# Altium PCB STM32H7-Board.PcbDoc
Units mm, origin at the board's own origin, x right, y up, seen from the top; angles counter-clockwise.
Board outline 103.12 x 145.41 mm, 2 copper layers (Top Layer, Bottom Layer); 95 components, 147 nets, 522 pads, 4 vias.
Unrouted connection lines stored in the file: 327.
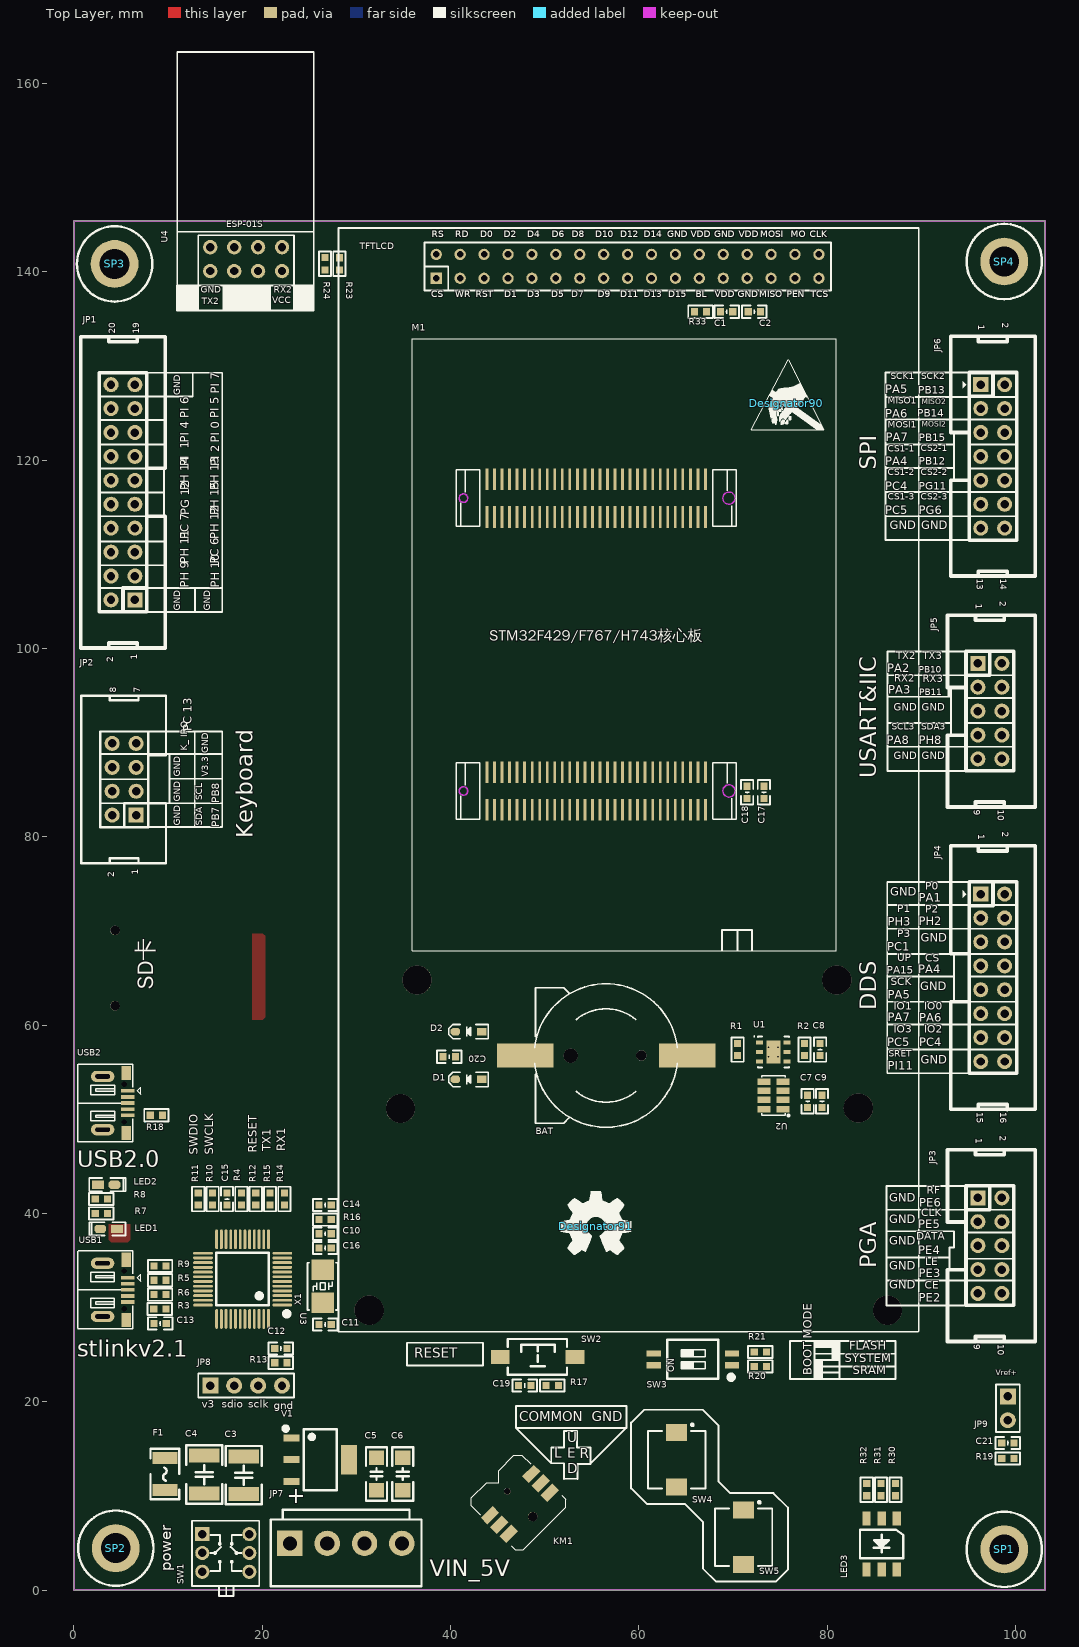
[diagram p0: Top Layer view]
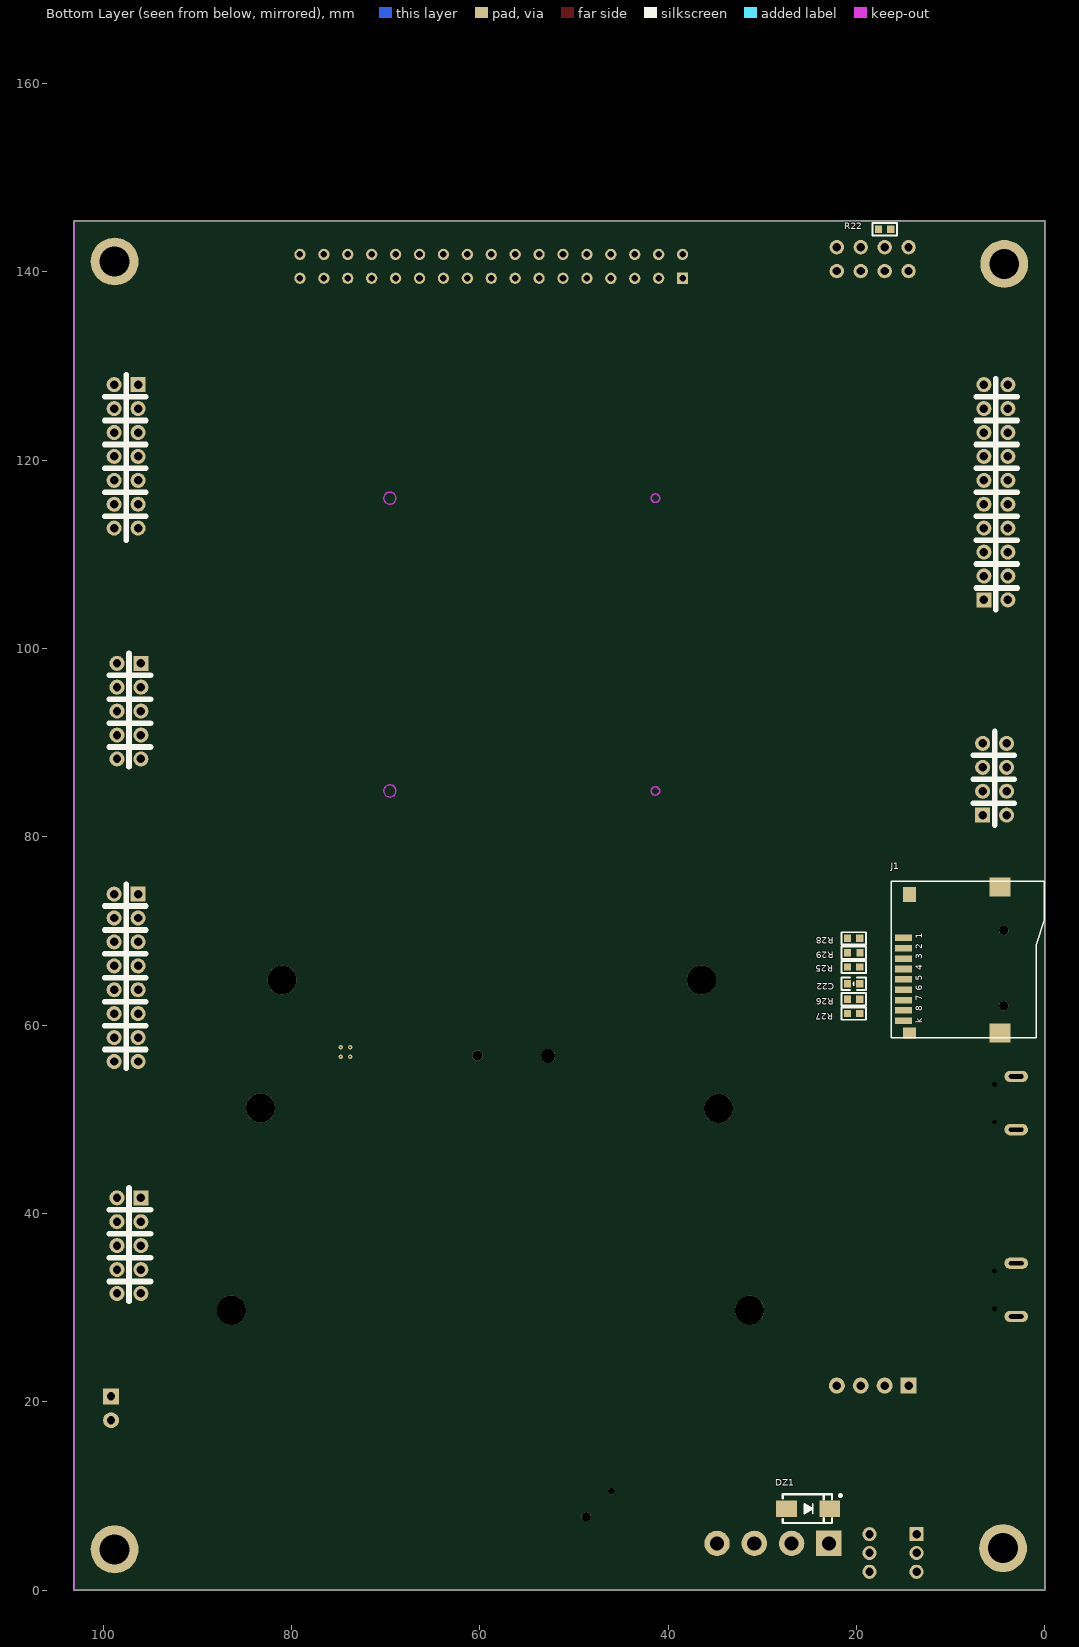
[diagram p1: Bottom Layer view, seen from below]

## Layer stack, top to bottom
Top Solder: solder mask 0.0102, Solder Resist, Dk 3.5
Top Layer: signal copper 0.0356
Dielectric 1: dielectric 0.32, FR-4, Dk 4.8
Bottom Layer: signal copper 0.0356
Bottom Solder: solder mask 0.0102, Solder Resist, Dk 3.5

## Board outline
0,0 0,145.415 103.124,145.415 103.124,0

## Design rules (kind name [scope] priority, off if disabled: settings)
Clearance [All] p1: gap=0.152 ignorepadtopadclearanceinfootprint=FALSE
ComponentClearance [All] p1: gap=0 collisioncheckmode=3 verticalgap=0 showdistances=FALSE
HoleSize [All] p1: absolutevalues=TRUE maxlimit=5 minlimit=0.025 maxpercent=80.000 minpercent=20.000
MinimumSolderMaskSliver [All] p1: minsoldermaskwidth=0
PolygonConnect PolygonConnect_2 [InNet('GND')] p1: thpad.connectstyle=Relief thpad.reliefconductorwidth=0.508 thpad.reliefentries=4 thpad.polygonreliefangle="45 Angle" thpad.airgapwidth=0.254 smdpad.connectstyle=Direct smdpad.reliefconductorwidth=0.254 smdpad.reliefentries=4 smdpad.polygonreliefangle="90 Angle" smdpad.airgapwidth=0.254 via.connectstyle=Direct via.reliefconductorwidth=0.254 via.reliefentries=4 via.polygonreliefangle="90 Angle" via.airgapwidth=0.254
PolygonConnect PolygonConnect_1 [InNet('VCC3V3')] p2: connectstyle=Direct reliefconductorwidth=0.254 reliefentries=4 polygonreliefangle="90 Angle" airgapwidth=0.254
PolygonConnect [All] p3: connectstyle=Relief reliefconductorwidth=0.508 reliefentries=4 polygonreliefangle="90 Angle" airgapwidth=0.254
RoutingVias [All] p1: holewidth=0.711 width=1.27 viastyle="Through Hole" minholewidth=0.3 minwidth=0.6 maxholewidth=0.711 maxwidth=1.27
SilkToSilkClearance [All] p1: silktosilkclearance=0
SilkToSolderMaskClearance [IsPad] p1: minsilkscreentomaskgap=0 clearancetoexposedcopper=TRUE
SolderMaskExpansion [All] p1: expansion=0.102 istentingtop=FALSE
Width [All] p1: maxlimit=1.524 minlimit=0.152 preferedwidth=0.254
25 further rules are at their usual default settings.

## Classes and differential pairs
component class STM32H7-Board: BAT C17 C18 C19 C20 C21 C22 D1 D2 J1 JP9 KM1 LED3 M1 R17 R18 R19 R20 R21 R22 R23 R24 R25 R26 R27 R28 R29 R30 R31 R32 SW2 SW3 SW4 SW5 U4 USB2
component class stlinkv2.1: C10 C11 C12 C13 C14 C15 C16 JP8 LED1 LED2 R3 R4 R5 R6 R7 R8 R9 R10 R11 R12 R13 R14 R15 R16 U3 USB1 X1
component class Sensors: C7 C8 C9 R1 R2 U1 U2
component class Power: C3 C4 C5 C6 DZ1 F1 JP7 SP1 SP2 SP3 SP4 SW1 V1
component class ports: C1 C2 JP1 JP2 JP3 JP4 JP5 JP6 R33 TFTLCD

## Components (designator, comment, footprint, x,y, rotation, side; value= is the part's Value field where it differs from the comment)
BAT "BATT" BATM 56.515,56.769 r270 top locked
C1 "104" "C 0603_L" 69.327,135.763 r180 top
C2 "104" "C 0603_L" 72.263,135.763 r180 top
C3 "104" "C 1812_L" 18.034,12.192 r270 top locked
C4 "104" "C 1812_L" 13.843,12.267 r270 top locked
C5 "104" "C 1206_M" 32.131,12.319 r90 top locked
C6 "104" "C 1206_M" 34.925,12.319 r90 top locked
C7 "104" "C 0603_L" 77.927,51.892 r90 top
C8 "104" "C 0603_L" 79.248,57.404 r90 top locked
C9 "104" "C 0603_L" 79.451,51.892 r90 top
C10 "104" "C 0603_L" 26.67,37.846 r180 top locked
C11 "104" "C 0603_L" 26.67,28.194 r180 top locked
C12 "104" "C 0603_L" 21.971,25.654 r180 top
C13 "104" "C 0603_L" 9.159,28.321 r180 top locked
C14 "104" "C 0603_L" 26.67,40.894 r180 top
C15 "104" "C 0603_L" 16.256,41.529 r90 top
C16 "104" "C 0603_L" 26.67,36.322 r180 top locked
C17 "104" "C 0603_L" 73.279,84.709 r90 top locked
C18 "104" "C 0603_L" 71.501,84.709 r90 top locked
C19 "104" "C 0603_L" 47.879,21.717 r0 top locked
C20 "104" "C 0603_L" 39.863,56.642 r0 top locked
C21 "104" "C 0603_L" 99.187,15.621 r180 top locked
C22 "104" "C 0603_L" 20.32,64.389 r0 bottom
D1 "1N4148" SOD-323 41.907,54.229 r180 top locked
D2 "1N4148" SOD-323 41.91,59.309 r180 top locked
Designator90 "Comment" ICO1 75.667,126.035 r0 top
Designator91 "Comment" openhw 55.423,38.633 r0 top
DZ1 "1N4733" SMA 25.146,8.636 r180 bottom locked
F1 "MSMD200-8V 2A" "FU 1210" 9.652,12.319 r270 top
J1 "TF_Card" "Micro SD" 4.369,66.057 r90 bottom locked
JP1 "Header 2X10" IDC2.54-LI-2x10P 6.477,105.156 r90 top locked
JP2 "Header 4X2" IDC2.54-LI-2x4P 6.604,82.296 r90 top locked
JP3 "Header 5X2" IDC2.54-LI-2x5P 96.012,41.656 r270 top locked
JP4 "Header 8X2" IDC2.54-LI-2x8P 96.313,73.914 r270 top locked
JP5 "Header 5X2" IDC2.54-LI-2x5P 96.012,98.425 r270 top locked
JP6 "Header 2X7" IDC2.54-LI-2x7P 96.313,128.016 r270 top locked
JP7 "HDR-1X4" VH3.96-LI-4P 28.881,4.953 r0 top locked
JP8 "HDR-1X4" HDR2.54-LI-4P 18.288,21.717 r0 top locked
JP9 "HDR-1X2" HDR2.54-LI-2P 99.187,19.304 r270 top locked
KM1 "MT008-A" JOY_MT008-A 47.371,9.144 r45 top
LED1 "红色" "LED 0603B" 3.683,38.354 r180 top locked
LED2 "红色" "LED 0603B" 3.429,43.053 r0 top locked
LED3 "LED-RGB" "LED 5050" 85.777,4.878 r270 top locked
M1 "STM32F4&F7_CB" STM32F4&F7_CB 67.068,82.868 r90 top
R1 "1K" "R 0603_L" 70.485,57.404 r90 top locked
R2 "1K" "R 0603_L" 77.597,57.404 r90 top locked
R3 "1K" "R 0603_L" 9.129,29.845 r180 top locked
R4 "1K" "R 0603_L" 17.78,41.529 r90 top locked
R5 "1K" "R 0603_L" 9.144,32.893 r180 top locked
R6 "1K" "R 0603_L" 9.144,31.369 r180 top locked
R7 "1K" "R 0603_L" 2.921,40.005 r0 top locked
R8 "1K" "R 0603_L" 2.921,41.529 r0 top locked
R9 "100" "R 0603_L" 9.144,34.417 r180 top locked
R10 "1K" "R 0603_L" 14.732,41.529 r270 top locked
R11 "1K" "R 0603_L" 13.208,41.529 r270 top locked
R12 "1K" "R 0603_L" 19.304,41.529 r270 top locked
R13 "1K" "R 0603_L" 21.971,24.13 r0 top locked
R14 "1K" "R 0603_L" 22.352,41.529 r270 top locked
R15 "1K" "R 0603_L" 20.828,41.529 r270 top locked
R16 "1K" "R 0603_L" 26.67,39.342 r0 top locked
R17 "1K" "R 0603_L" 50.8,21.717 r0 top locked
R18 "1K" "R 0603_L" 8.763,50.419 r180 top
R19 "1K" "R 0603_L" 99.187,13.97 r180 top locked
R20 "1K" "R 0603_L" 72.898,23.749 r180 top locked
R21 "1K" "R 0603_L" 72.898,25.273 r180 top locked
R22 "4.7K" "R 0603_L" 17.018,144.526 r180 bottom locked
R23 "1K" "R 0603_L" 28.194,140.843 r270 top
R24 "1K" "R 0603_L" 26.67,140.858 r270 top
R25 "1K" "R 0603_L" 20.32,66.167 r0 bottom
R26 "1K" "R 0603_L" 20.32,62.738 r0 bottom
R27 "1K" "R 0603_L" 20.32,61.214 r0 bottom
R28 "1K" "R 0603_L" 20.32,69.215 r0 bottom
R29 "1K" "R 0603_L" 20.305,67.691 r0 bottom
R30 "1K" "R 0603_L" 87.249,10.668 r90 top
R31 "1K" "R 0603_L" 85.725,10.653 r90 top
R32 "1K" "R 0603_L" 84.201,10.653 r90 top locked
R33 "1K" "R 0603_L" 66.548,135.763 r180 top locked
SP1 "M3铜柱" M3x4_L 98.806,4.318 r0 top locked
SP2 "M3铜柱" M3x4_L 4.445,4.445 r0 top locked
SP3 "M3铜柱" M3x4_L 4.318,140.843 r0 top locked
SP4 "M3铜柱" M3x4_L 98.806,141.097 r0 top locked
SW1 "KET 7X7" "KFT DIP-7X7" 16.129,3.937 r270 top locked
SW2 "3x6x5" "TSW SMD-3*6*2.5" 49.276,24.765 r0 top locked
SW3 "CSW-2P" "CSW1.27 SMD-2P" 65.734,24.503 r90 top locked
SW4 "3x6x5" SODFL700X110-2N 64.008,13.843 r270 top locked
SW5 "3x6x5" SODFL700X110-2N 71.12,5.609 r270 top locked
TFTLCD "TFT_LCD" db2*17-4.3 38.483,139.313 r0 top locked
U1 "SHT20" sht20 74.287,57.142 r0 top locked
U2 "AP3216C" DFN8 73.558,51.079 r90 top
U3 "STM32F103C8" "LQFP48 7X7_M" 17.907,33.02 r90 top locked
U4 "ESP-01S" ESP-01S 14.478,140.081 r90 top locked
USB1 "USB-5P" USB-MICRO_B 3.048,31.877 r270 top locked
USB2 "USB-5P" USB-MICRO_B 3.054,51.72 r270 top locked
V1 "AMS1117-3V3" SOT223_L 26.162,13.843 r270 top locked
X1 "12MHz" "OSC 5032-2P" 26.416,32.258 r270 top locked

## Footprints (in the part's own frame and the unit in brackets; to place one, negate y for a bottom-side part, rotate by r counter-clockwise, add the part's x,y. Pads: shape width x height; smd on the part's side, far side on the other; paste and mask are expansions set on the pad)
BATM [mm]
  round 1.1 hole 1.1 unplated: 0(0,3.748)
  round 1.5 hole 1.5 unplated: 0(0.025,-3.752)
  rect 2.5x6 smd: 1(0,-8.602) 2(0,8.598)
  silkscreen extent -7.62,-7.58 7.62,7.57
"C 0603_L" [mil] "无极性贴片电容"
  rect 30x30 smd: 1(-25.59,0) 2(25.59,0)
  silkscreen extent -51,-26 51,26, body extent -31,-16 31,16, height 32
"C 1206_M" [mil] "无极性贴片电容"
  rect 60x62.99 smd: 1(-67.5,0) 2(67.5,0)
  silkscreen extent -112,-44 112,44, body extent -63,-32 63,32, height 48
"C 1812_L" [mm] "无极性贴片电容"
  rect 1.5x3.2 smd: 1(-2,0) 2(2,0)
  silkscreen extent -3.1,-1.91 3.1,1.9, body extent -2.3,-1.61 2.3,1.61, height 2.01
"CSW1.27 SMD-2P" [mm] "长：4.14mm，宽：5.4mm，高：2.3mm"
  rect 0.65x1.5 smd: 1(-0.635,-4.15) 2(0.635,-4.15) 3(0.635,4.15) 4(-0.635,4.15)
  silkscreen extent -2.15,-4.31 2.07,2.7, body extent -2.07,-4.35 2.07,4.35, height 2.35
db2*17-4.3 [mm]
  rect 1.2x1.2 hole 0.7: 1(-0.002,0.006)
  round 1.2 hole 0.7: 2(-0.002,2.546) 3(2.538,0.006) 4(2.538,2.546) 5(5.08,0) 6(5.078,2.546) 7(7.62,0) 8(7.62,2.54) 9(10.158,0.006) 10(10.158,2.546) 11(12.698,0.006) 12(12.698,2.546) 13(15.238,0.006) 14(15.238,2.546) 15(17.778,0.006) 16(17.778,2.546) 17(20.318,0.006) 18(20.318,2.546) 19(22.858,0.006) 20(22.858,2.546) 21(25.398,0.006) 22(25.398,2.546) 23(27.938,0.006) 24(27.938,2.546) 25(30.478,0.006) 26(30.478,2.546) 27(33.018,0.006) 28(33.018,2.546) 29(35.558,0.006) 30(35.558,2.546) 31(38.098,0.006) 32(38.098,2.546) 33(40.638,0.006) 34(40.638,2.546)
  round 3.1 hole 3.1: ""(-7.125,-109.596) ""(-3.81,-88.18) ""(-2.037,-74.525) ""(42.54,-74.525) ""(44.82,-88.12) ""(47.925,-109.596)
  silkscreen extent -10.4,-111.89 51.25,5.33
DFN8 [mm]
  rect 0.7x1.4 smd: 1(0,-1.753) 2(0.97,-1.753) 3(1.94,-1.753) 4(2.91,-1.753) 5(2.91,0.253) 6(1.94,0.253) 7(0.97,0.253) 8(0,0.253)
  silkscreen extent -0.78,-2.44 3.56,0.51
ESP-01S [mil]
  round 60 hole 34.65: 1(0,0) 2(0,-100) 3(0,-200) 4(0,-300) 5(100,-300) 6(100,-200) 7(100,-100) 8(100,0)
  silkscreen extent -60,-433 916,138, body extent -60,-433 916,138, height 231
"FU 1210" [mil] "贴片保险丝"
  rect 50x105 smd: 1(-67.5,0) 2(67.5,0)
  silkscreen extent -105,-60 105,60, body extent -63,-50 63,50, height 34
HDR2.54-LI-2P [mm] "排针，2脚"
  rect 1.7x1.7 hole 0.9: 1(-1.27,0)
  round 1.7 hole 0.9: 2(1.27,0)
  silkscreen extent -2.54,-1.27 2.54,1.27, body extent -2.54,-1.27 2.54,1.27, height 8.5
HDR2.54-LI-4P [mm] "排针，4脚"
  rect 1.7x1.7 hole 0.9: 1(-3.81,0)
  round 1.7 hole 0.9: 2(-1.27,0) 3(1.27,0) 4(3.81,0)
  silkscreen extent -5.08,-1.27 5.08,1.27, body extent -5.08,-1.27 5.08,1.27, height 8.5
ICO1 [mm]
  silkscreen extent -3.73,-2.84 3.96,4.65
IDC2.54-LI-2x4P [mm] "8P简易牛角座"
  rect 1.6x1.6 hole 0.9: 1(0,0)
  round 1.6 hole 0.9: 2(0,2.54) 3(2.54,0) 4(2.54,2.54) 5(5.08,0) 6(5.08,2.54) 7(7.62,0) 8(7.62,2.54)
  silkscreen extent -5.11,-3.18 12.7,5.84, body extent -5.08,-3.08 12.7,5.77, height 9.17
IDC2.54-LI-2x5P [mm] "10P简易牛角座"
  rect 1.6x1.6 hole 0.9: 1(0,0)
  round 1.6 hole 0.9: 2(0,2.54) 3(2.54,0) 4(2.54,2.54) 5(5.08,0) 6(5.08,2.54) 7(7.62,0) 8(7.62,2.54) 9(10.16,0) 10(10.16,2.54)
  silkscreen extent -5.11,-3.23 15.27,6.1, body extent -5.08,-3.08 15.24,5.77, height 9.17
IDC2.54-LI-2x7P [mm] "14P简易牛角座"
  rect 1.6x1.6 hole 0.9: 1(0,0)
  round 1.6 hole 0.9: 2(0,2.54) 3(2.54,0) 4(2.54,2.54) 5(5.08,0) 6(5.08,2.54) 7(7.62,0) 8(7.62,2.54) 9(10.16,0) 10(10.16,2.54) 11(12.7,0) 12(12.7,2.54) 13(15.24,0) 14(15.24,2.54)
  silkscreen extent -5.14,-3.2 20.35,5.8, body extent -5.08,-3.08 20.32,5.77, height 9.17
IDC2.54-LI-2x8P [mm] "16P简易牛角座"
  rect 1.6x1.6 hole 0.9: 1(0,0)
  round 1.6 hole 0.9: 2(0,2.54) 3(2.54,0) 4(2.54,2.54) 5(5.08,0) 6(5.08,2.54) 7(7.62,0) 8(7.62,2.54) 9(10.16,0) 10(10.16,2.54) 11(12.7,0) 12(12.7,2.54) 13(15.24,0) 14(15.24,2.54) 15(17.78,0) 16(17.78,2.54)
  silkscreen extent -5.14,-3.2 22.89,5.8, body extent -5.08,-3.08 22.86,5.77, height 9.17
IDC2.54-LI-2x10P [mm] "20P简易牛角座"
  rect 1.6x1.6 hole 0.9: 1(0,0)
  round 1.6 hole 0.9: 2(0,2.54) 3(2.54,0) 4(2.54,2.54) 5(5.08,0) 6(5.08,2.54) 7(7.62,0) 8(7.62,2.54) 9(10.16,0) 10(10.16,2.54) 11(12.7,0) 12(12.7,2.54) 13(15.24,0) 14(15.24,2.54) 15(17.78,0) 16(17.78,2.54) 17(20.32,0) 18(20.32,2.54) 19(22.86,0) 20(22.86,2.54)
  silkscreen extent -5.11,-3.23 27.97,5.77, body extent -5.08,-3.08 27.94,5.77, height 9.17
JOY_MT008-A [mm]
  round 1 hole 1 unplated: 0(0,-1.9)
  round 0.7 hole 0.7 unplated: 0(0,1.9)
  rect 1.778x1.016 smd: 1(-3.1,1.4) 2(-3.1,0) 3(-3.1,-1.4) 4(3.1,-1.4) 5(3.1,0) 6(3.1,1.4)
  silkscreen extent -3.8,-3.7 3.8,4.1, body extent -3.86,-3.99 3.86,4.01, height 4.85
"KFT DIP-7X7" [mm] "自锁开关，规格：7*7mm"
  rect 1.5x1.5 hole 0.9: 1(-2,-2.5)
  round 1.5 hole 0.9: 2(0,-2.5) 3(2,-2.5) 4(2,2.5) 5(0,2.5) 6(-2,2.5)
  silkscreen extent -3.42,-3.58 4.58,3.56, body extent -3.5,-3.5 3.5,3.5, height 11.2
"LED 0603B" [mil] "蓝色0603LED"
  rect 50x35 smd: 1(-35,0.26)
  oct 50x35 smd: 2(35,0.26)
  silkscreen extent -71,-28 81,28, body extent -31,-16 32,16, height 24
"LED 5050" [mm] "白色5050LED"
  rect 1.5x0.9 smd: 1(-2.705,1.6) 2(2.705,1.6) 3(-2.705,0) 4(2.705,0) 5(-2.705,-1.6) 6(2.705,-1.6)
  silkscreen extent -1.52,-2.29 1.52,2.29, body extent -2.7,-2.5 2.7,2.5, height 1.65
"LQFP48 7X7_M" [mm] "48脚，体宽7x7mm，脚距0.5mm"
  oval 0.3x2.1 smd: 1(-2.75,-4.227) 2(-2.25,-4.227) 3(-1.75,-4.227) 4(-1.25,-4.227) 5(-0.75,-4.227) 6(-0.25,-4.227) 7(0.25,-4.227) 8(0.75,-4.227) 9(1.25,-4.227) 10(1.75,-4.227) 11(2.25,-4.227) 12(2.75,-4.227) 25(2.75,4.202) 26(2.25,4.202) 27(1.75,4.202) 28(1.25,4.202) 29(0.75,4.202) 30(0.25,4.202) 31(-0.25,4.202) 32(-0.75,4.202) 33(-1.25,4.202) 34(-1.75,4.202) 35(-2.25,4.202) 36(-2.75,4.202)
  oval 2.1x0.3 smd: 13(4.227,-2.75) 14(4.227,-2.25) 15(4.227,-1.75) 16(4.227,-1.25) 17(4.227,-0.75) 18(4.227,-0.25) 19(4.227,0.25) 20(4.227,0.75) 21(4.227,1.25) 22(4.227,1.75) 23(4.227,2.25) 24(4.227,2.75) 37(-4.227,2.75) 38(-4.227,2.25) 39(-4.227,1.75) 40(-4.227,1.25) 41(-4.227,0.75) 42(-4.227,0.25) 43(-4.227,-0.25) 44(-4.227,-0.75) 45(-4.227,-1.25) 46(-4.227,-1.75) 47(-4.227,-2.25) 48(-4.227,-2.75)
  silkscreen extent -3.93,-4.95 2.79,2.79, body extent -4.5,-4.5 4.5,4.5, height 1.45
M3x4_L [mm] "M3铜柱，长：4mm"
  round 5.08 hole 3.175: 1(0,0)
  silkscreen extent -4,-4 4,4, body extent -2.7,-2.35 2.7,2.35, height 4.05
"Micro SD" [mm]
  round 1 hole 1 unplated: 0(-4,0) 0(4,0)
  rect 0.7x1.8 smd: 1(3.2,10.627) 2(2.1,10.627) 3(1,10.627) 4(-0.1,10.627) 5(-1.2,10.627) 6(-2.3,10.627) 7(-3.4,10.627) 8(-4.5,10.627) 9(-5.6,10.627)
  rect 2.032x2.2 smd: 10(-6.9,0.4) 10(8.6,0.4)
  rect 1.2x1.4 smd: 10(-6.9,10)
  rect 1.6x1.4 smd: 10(7.8,10)
  silkscreen extent -7.4,-4.28 9.2,11.94, body extent -7.05,-4 8.95,11.25, height 2
openhw [mm]
  silkscreen extent -3.73,-3 3.76,3.73
"OSC 5032-2P" [mm] "5mm*3.2mm*0.8mm(长*宽*高)"
  rect 2.2x2.4 smd: 1(-1.75,0) 2(1.75,0)
  silkscreen extent -2.5,-1.6 2.5,1.6, body extent -2.5,-1.6 2.5,1.6, height 0.86
"R 0603_L" [mil] "1/10W贴片电阻"
  rect 30x30 smd: 1(-25.59,0) 2(25.59,0)
  silkscreen extent -51,-26 51,26, body extent -31,-16 32,16, height 16
sht20 [mm] "SON, 6-Leads, Body 3.00x3.00mm, Pitch 1.00mm, Thermal Pad 2.40x1.50mm, IPC Medium Density"
  rect 0.75x0.4 smd: 1(-1.465,1) 2(-1.465,0) 3(-1.465,-1) 4(1.465,-1) 5(1.465,0) 6(1.465,1)
  rect 1.5x2.4 smd: 7(0,0)
  silkscreen extent -2.1,-1.65 1.65,1.7, body extent -1.5,-1.5 1.5,1.5, height 1.1
SMA [mm] "4.5x2.6*2.2mm（长宽高，不包括引脚）"
  rect 2.2x1.75 smd: 1(-2.3,0) 2(2.3,0)
  silkscreen extent -2.7,-1.52 3.56,1.52, body extent -2.52,-1.3 2.57,1.3, height 2.15
SOD-323 [mm] "1.8x1.3X0.9mm（长宽高，不包括引脚）"
  rect 1x0.8 smd: 1(-1.4,0)
  oct 1x0.8 smd: 2(1.4,0)
  silkscreen extent -2.11,-0.76 2.11,0.76, body extent -1.34,-0.63 1.31,0.67, height 1
SODFL700X110-2N [mm] "SODFL, 2-Leads, Body 6.05x7.00mm, IPC Medium Density"
  rect 1.8x2.25 smd: 1(-2.9,0) 2(2.9,0)
  silkscreen extent -3.82,-3.05 3.05,3.05, body extent -3.05,-3.05 3.05,3.05, height 5
SOT223_L [mm] "6.4x7x1.6mm(长宽高)"
  rect 0.75x1.7 smd: 1(-2.3,-3.048) 2(0,-3.048) 3(2.3,-3.048)
  rect 3.1x1.7 smd: 2(0,3.048)
  silkscreen extent -3.5,-3.88 3.25,1.75, body extent -3.25,-3.51 3.25,3.51, height 1.65
STM32F4&F7_CB [mm]
  rect 2.3x0.3 smd: J1_1(0,0) J1_2(0,0.8) J1_3(0,1.6) J1_4(0,2.4) J1_5(0,3.2) J1_6(0,4) J1_7(0,4.8) J1_8(0,5.6) J1_9(0,6.4) J1_10(0,7.2) J1_11(0,8) J1_12(0,8.8) J1_13(0,9.6) J1_14(0,10.4) J1_15(0,11.2) J1_16(0,12) J1_17(0,12.8) J1_18(0,13.6) J1_19(0,14.4) J1_20(0,15.2) J1_21(0,16) J1_22(0,16.8) J1_23(0,17.6) J1_24(0,18.4) J1_25(0,19.2) J1_26(0,20) J1_27(0,20.8) J1_28(0,21.6) J1_29(0,22.4) J1_30(0,23.2) J1_31(4,23.2) J1_32(4,22.4) J1_33(4,21.6) J1_34(4,20.8) J1_35(4,20) J1_36(4,19.2) J1_37(4,18.4) J1_38(4,17.6) J1_39(4,16.8) J1_40(4,16) J1_41(4,15.2) J1_42(4,14.4) J1_43(4,13.6) J1_44(4,12.8) J1_45(4,12) J1_46(4,11.2) J1_47(4,10.4) J1_48(4,9.6) J1_49(4,8.8) J1_50(4,8) J1_51(4,7.2) J1_52(4,6.4) J1_53(4,5.6) J1_54(4,4.8) J1_55(4,4) J1_56(4,3.2) J1_57(4,2.4) J1_58(4,1.6) J1_59(4,0.8) J1_60(4,0) J2_1(31.1,0.001) J2_2(31.1,0.801) J2_3(31.1,1.601) J2_4(31.1,2.401) J2_5(31.1,3.201) J2_6(31.1,4.001) J2_7(31.1,4.801) J2_8(31.1,5.601) J2_9(31.1,6.401) J2_10(31.1,7.201) J2_11(31.1,8.001) J2_12(31.1,8.801) J2_13(31.1,9.601) J2_14(31.1,10.401) J2_15(31.1,11.201) J2_16(31.1,12.001) J2_17(31.1,12.801) J2_18(31.1,13.601) J2_19(31.1,14.401) J2_20(31.1,15.201) J2_21(31.1,16.001) J2_22(31.1,16.801) J2_23(31.1,17.601) J2_24(31.1,18.401) J2_25(31.1,19.201) J2_26(31.1,20.001) J2_27(31.1,20.801) J2_28(31.1,21.601) J2_29(31.1,22.401) J2_30(31.1,23.201) J2_31(35.1,23.201) J2_32(35.1,22.401) J2_33(35.1,21.601) J2_34(35.1,20.801) J2_35(35.1,20.001) J2_36(35.1,19.201) J2_37(35.1,18.401) J2_38(35.1,17.601) J2_39(35.1,16.801) J2_40(35.1,16.001) J2_41(35.1,15.201) J2_42(35.1,14.401) J2_43(35.1,13.601) J2_44(35.1,12.801) J2_45(35.1,12.001) J2_46(35.1,11.201) J2_47(35.1,10.401) J2_48(35.1,9.601) J2_49(35.1,8.801) J2_50(35.1,8.001) J2_51(35.1,7.201) J2_52(35.1,6.401) J2_53(35.1,5.601) J2_54(35.1,4.801) J2_55(35.1,4.001) J2_56(35.1,3.201) J2_57(35.1,2.401) J2_58(35.1,1.601) J2_59(35.1,0.801) J2_60(35.1,0.001)
  Keep-Out Layer circle w0.152: c2,25.7 r0.45
  Keep-Out Layer circle w0.152: c2,-2.5 r0.65
  Keep-Out Layer circle w0.152: c33.1,-2.499 r0.65
  Keep-Out Layer circle w0.152: c33.1,25.701 r0.45
  silkscreen extent -14.95,-13.87 50.05,31.13
"TSW SMD-3*6*2.5" [mm] "3*6*2.5mm"
  rect 2x1.5 smd: 1(-3.996,-0.02) 2(3.937,0)
  silkscreen extent -3.21,-1.9 3.09,1.9, body extent -4,-1.88 4,1.62, height 2.59
USB-MICRO_B [mm] "micro型USB ，5.9*8.2*2.5mm"
  round 0 hole 0.55 unplated: 0(-2,2.294) 0(2,2.294)
  rect 0.394x1.4 smd: 1(-1.295,2.667) 2(-0.648,2.667) 3(0,2.667) 4(0.648,2.667) 5(1.295,2.667)
  rect 1.5x1 smd: 5(-3.2,2.5) 5(3.2,2.5)
  oval 1.2x2.5 hole 0.45 slot 1.55 at 90 deg: 5(-2.825,-0.006) 5(2.825,-0.006)
  silkscreen extent -4.14,-2.63 4.11,4.06, body extent -4,-2.72 4,2.88, height 2.8
VH3.96-LI-4P [mm] "接插件，25V/5A"
  rect 2.7x2.7 hole 1.5: 1(-5.94,0)
  round 2.7 hole 1.5: 2(-1.978,0) 3(1.982,0) 4(5.942,0)
  silkscreen extent -7.97,-4.57 8.03,3.56, body extent -7.94,-4.4 7.99,4.16, height 10.5

## Part data
BAT: library part BAT
C1 C2 C3 C4 C5 C6 C7 C8 C9 C10 C11 C12 C13 C14 C15 C16 C17 C18 C19 C20 C21 C22: library part C, "无极性贴片电容"
D1 D2: "高速开关二极管"
DZ1: "5.1V/1W稳压管"
F1: library part FU, "贴片保险丝"
J1: "TF卡座"
JP1: library part "Header 10X2", "10*2P接插件"
JP2: "4*2P接插件"
JP3 JP5: "5*2P接插件"
JP4: "8*2P接插件"
JP6: library part "Header 7X2", "7*2P接插件"
JP7 JP8: library part "Header 4", "4P接插件"
JP9: library part "Header 2", "2P接插件"
KM1: library part MT-008A
LED1 LED2: library part LED-SMD, "贴片LED"
LED3: "三基色LED"
M1: "F429/746 Core Board"
R1 R2 R3 R4 R5 R6 R7 R8 R9 R10 R11 R12 R13 R14 R15 R16 R17 R18 R19 R20 R21 R22 R23 R24 R25 R26 R27 R28 R29 R30 R31 R32 R33: library part R, "贴片电阻"
SP1 SP2 SP3 SP4: library part 铜柱小焊盘, "铜柱"
SW1: "7*7自锁开关"
SW2 SW4 SW5: library part "TSW 3x6", "3x6轻触开关"
SW3: "2路编码开关"
U2: "ALS+PS Sensor"
U3: "Flaah:64/RAM:20/IO:36"
USB1 USB2: "微型USB母座"
V1: library part AMS1117, "三端稳压芯片"
X1: library part XTAL-2P, "2脚无源脚晶振"

## Via types
v1: diameter 0.5, hole 0.2, Top Layer to Bottom Layer, 4 vias

## Nets (pads, with @x,y where several pads share a name; then routed paths per layer and width w, separated by ;. In a path a pad name is that pad's centre, name@x,y a point inside that pad or via, vN(x,y) a via of type N, cw(c..) or ccw(c..) an arc to the next point about the centre after c; other vN are vias at no path point)
AP_INT: M1.J1_57 R30.2 U2.7
BOOT0: M1.J1_31 R20.2 SW3.1
BOOT1: M1.J1_55 R21.2 R32.2 SW3.2
CDC_RX: R15.2 U3.13
CDC_TX: R14.2 U3.12
DDS_CS: JP4.8 JP6.7 M1.J1_45
DDS_P0: JP4.2 M1.J1_3
DDS_P1: JP4.3 M1.J1_6
DDS_P2: JP4.4 M1.J1_5
DDS_P3: JP4.5 M1.J1_9
DDS_RESET: JP4.15 M1.J1_15
DDS_SCLK: JP4.9 JP6.1 M1.J1_46
DDS_SDIO0: JP4.12 JP6.3 M1.J1_47
DDS_SDIO1: JP4.11 JP6.5 M1.J1_48
DDS_SDIO2: JP4.14 JP6.9 M1.J1_49
DDS_SDIO3: JP4.13 JP6.11 M1.J1_50
DDS_UP: JP4.7 M1.J1_41
FMC_A16_ALE: M1.J2_23
FMC_A17_ALE: M1.J2_21
FMC_A18: M1.J2_14 TFTLCD.2
FMC_D0: M1.J2_45 TFTLCD.6
FMC_D1: M1.J2_46 TFTLCD.7
FMC_D2: M1.J2_47 TFTLCD.8
FMC_D3: M1.J2_48 TFTLCD.9
FMC_D4: M1.J2_49 TFTLCD.10
FMC_D5: M1.J2_50 TFTLCD.11
FMC_D6: M1.J2_51 TFTLCD.12
FMC_D7: M1.J2_52 TFTLCD.13
FMC_D8: M1.J2_53 TFTLCD.14
FMC_D9: M1.J2_54 TFTLCD.15
FMC_D10: M1.J2_55 TFTLCD.16
FMC_D11: M1.J2_56 TFTLCD.17
FMC_D12: M1.J2_57 TFTLCD.18
FMC_D13: M1.J2_58 TFTLCD.19
FMC_D14: M1.J2_59 TFTLCD.20
FMC_D15: M1.J2_60 TFTLCD.21
FMC_NBL0: M1.J2_43
FMC_NBL1: M1.J2_44
FMC_NE1: M1.J1_35 TFTLCD.1
FMC_NOE: M1.J2_26 TFTLCD.4
FMC_NWAIT: M1.J2_27
FMC_NWE: M1.J2_22 TFTLCD.3
GND: BAT.2 C1.2 C2.1 C3.1 C4.1 C5.1 C6.1 C7.2 C8.2 C9.2 C10.1 C11.1 C12.2 C13.2 C14.2 C15.2 C16.1 C17.1 C18.1 C19.1 C20.1 C21.1 C22.2 DZ1.1 J1.6 J1.10 JP1.1 JP1.2 JP1.20 JP2.2 JP2.4 JP2.6 JP2.7 JP3.1 JP3.3 JP3.5 JP3.7 JP3.9 JP4.1 JP4.6 JP4.10 JP4.16 JP5.5 JP5.6 JP5.9 JP5.10 JP6.13 JP6.14 JP7.2 JP7.3 JP8.4 KM1.5 LED2.2 LED3.2 LED3.4 LED3.6 M1.J1_1 M1.J1_30 M1.J2_31 R13.2 R20.1 R21.1 R22.2 R33.2 SP1.1 SP2.1 SP3.1 SP4.1 SW2.2 SW4.2 SW5.2 TFTLCD.22 TFTLCD.26 TFTLCD.27 U1.2 U1.7 U2.3 U3.8 U3.20 U3.23 U3.35 U3.47 U4.8 USB1.5 USB2.5 V1.1
  other v1: 73.787,56.642 74.787,56.642 73.787,57.642 74.787,57.642
IIC1_SCL: JP2.3 M1.J1_26
IIC1_SDA: JP2.1 M1.J1_25
IIC2_SCL: M1.J1_8 R2.2 U1.6 U2.2
IIC2_SDA: M1.J1_7 R1.2 U1.1 U2.8
IIC3_SCL: JP5.7 M1.J2_20
IIC3_SDA: JP5.8 M1.J2_3
KEY_0: M1.J1_22 SW4.1
KEY_1: M1.J1_21 SW5.1
KEY_DWON: KM1.3 M1.J1_34
KEY_LEFT: KM1.1 M1.J1_36
KEY_RIGHT: KM1.4 M1.J1_32
KEY_UP: KM1.6 M1.J1_33
Keyboard_IRQ: JP2.8 M1.J1_28
LCD_BL: M1.J1_23 R33.1 TFTLCD.23
LED_1: M1.J1_56 R31.2
NetBAT_1: BAT.1 D2.1
NetC10_2: C10.2 R16.1 U3.7
NetC21_2: C21.2 JP9.2 R19.1
NetLED1_2: LED1.2 R7.1
NetLED2_1: LED2.1 R8.1
NetLED3_1: LED3.1 R30.1
NetLED3_3: LED3.3 R31.1
NetLED3_5: LED3.5 R32.1
NetR5_1: R5.1 U3.32
NetR6_1: R6.1 U3.33
NetR7_2: R7.2 R8.2 U3.30
NetR13_1: R13.1 U3.44
NetR22_1: R22.1 U4.6
NetR23_1: R23.1 U4.2
NetU2_5: U2.5 U2.6
OSC_IN: C11.2 U3.5 X1.2
OSC_OUT: C16.2 U3.6 X1.1
PA0: KM1.2 M1.J2_42 R24.1 U4.3
PA2: JP5.1 M1.J1_4 U4.1
PA3: JP5.3 M1.J1_44 U4.5
PA9: M1.J1_51 R15.1
PA10: M1.J1_52 R14.1
PA11: M1.J1_53 USB2.2
PA12: M1.J1_54 R18.2 USB2.3
PA13: M1.J1_43 R11.1
PA14: M1.J1_42 R10.1
PB6: M1.J1_24
PB9: M1.J1_27
PB10: JP5.2 M1.J2_2
PB11: JP5.4 M1.J2_1
PB12: JP6.8 M1.J2_4
PB13: JP6.2 M1.J2_5
PB14: JP6.4 M1.J2_6
PB15: JP6.6 M1.J2_7
PC6: JP1.5 M1.J2_16
PC7: JP1.8 M1.J2_17
PC8: J1.7 M1.J2_18 R26.2
PC9: J1.8 M1.J2_19 R27.2
PC10: J1.1 M1.J1_40 R28.2
PC11: J1.2 M1.J1_39 R29.2
PC12: J1.5 M1.J1_38
PD2: J1.3 M1.J1_37 R25.2
PE2: JP3.10 M1.J1_20
PE3: JP3.8 M1.J1_19
PE4: JP3.6 M1.J1_18
PE5: JP3.4 M1.J1_17
PE6: JP3.2 M1.J1_16
PF6: M1.J1_14
PF7: M1.J1_13
PF8: M1.J1_12
PF9: M1.J1_11
PG3: M1.J2_13 TFTLCD.29
PG6: JP6.12 M1.J2_15
PG11: JP6.10 M1.J2_35
PG12: JP1.10 M1.J2_25
PH6: M1.J2_8 TFTLCD.34
PH7: M1.J2_9 TFTLCD.31
PH9: JP1.4 M1.J2_10
PH10: JP1.3 M1.J2_11
PH11: JP1.6 M1.J2_12
PH12: JP1.7 M1.J2_24
PH13: JP1.11 M1.J2_30
PH14: JP1.12 M1.J2_29
PH15: JP1.9 M1.J2_28
PI0: JP1.15 M1.J2_34
PI1: JP1.14 M1.J2_33
PI2: JP1.13 M1.J2_32
PI3: M1.J2_41 TFTLCD.30
PI4: JP1.16 M1.J2_36
PI5: JP1.17 M1.J2_37
PI6: JP1.18 M1.J2_38
PI7: JP1.19 M1.J2_39
PI8: M1.J2_40 TFTLCD.33
RESET: C19.2 M1.J1_10 R12.1 R17.1 SW2.1 TFTLCD.5
STM_SWCLK: JP8.3 U3.37
STM_SWDIO: JP8.2 U3.34
STM_USB_DM: R5.2 USB1.2
STM_USB_DP: R3.2 R6.2 USB1.3
T_NRST: R4.1 R12.2 U3.18
T_SWCLK: R10.2 U3.26
T_SWDIO: R9.1 R11.2 U3.27
T_SWDIO_IN: R9.2 U3.25
T_SWO: U3.31
VBAT: C20.2 D1.2 D2.2 M1.J1_29
VCC3V3: C1.1 C5.2 C6.2 C7.1 C8.1 C9.1 C12.1 C13.1 C14.1 C15.1 C22.1 D1.1 J1.4 JP2.5 JP8.1 LED1.1 R1.1 R2.1 R3.1 R4.2 R16.2 R17.2 R18.1 R19.2 R23.2 R24.2 R25.1 R26.1 R27.1 R28.1 R29.1 SW3.3 SW3.4 TFTLCD.24 TFTLCD.25 U1.5 U2.1 U2.4 U3.1 U3.9 U3.24 U3.36 U3.48 U4.4 V1.2
VCC5V: C2.2 C3.2 C4.2 C17.2 C18.2 M1.J1_58 M1.J1_59 M1.J1_60 SW1.1 SW1.6 TFTLCD.28 V1.3
VCC5V_IN: DZ1.2 F1.2 JP7.1 SW1.2 SW1.5
VCC5V_USB: F1.1 USB1.1 USB2.1
VREF+: JP9.1 M1.J1_2
pads on no net: BAT.0 J1.0 J1.9 JP7.4 KM1.0 SW1.3 SW1.4 TFTLCD. TFTLCD.32 U1.3 U1.4 U3.2 U3.3 U3.4 U3.10 U3.11 U3.14 U3.15 U3.16 U3.17 U3.19 U3.21 U3.22 U3.28 U3.29 U3.38 U3.39 U3.40 U3.41 U3.42 U3.43 U3.45 U3.46 U4.7 USB1.0 USB1.4 USB2.0 USB2.4

## Polygon pours and split planes (outlines as drawn)
VCC3V3 on Top Layer "Top Layer-VCC3V3 2" (solid, remove dead copper, pour order 10): 18.923,69.723 20.066,69.723 20.32,69.469 20.32,60.833 20.066,60.579 18.923,60.579
VCC3V3 on Top Layer "Top Layer-VCC3V3 1" (solid, remove dead copper, pour order 4): 3.683,38.862 3.683,37.211 3.937,36.957 5.715,36.957 5.969,37.211 5.969,38.862

## Keep-outs
Keep-Out Layer:
  lines w0.2: 0,0 0,145.415 3.302,145.415 103.124,145.415 103.124,0 0,0

## Silkscreen, mask and mechanical layers (free items; w line width, h text height)
Top Overlay:
  drawing of 157 lines, arcs and shapes, not listed
  text "GND" at 13.462,137.541 h1.2
  text "RX2" at 21.209,137.541 h1.2
  text "VCC" at 21.082,136.398 h1.2
  text "TX2" at 13.589,136.271 h1.2
  text "SCK1" at 86.766,128.346 h1.2
  text "SCK2" at 89.967,128.321 h1.2
  text "PI 7" at 15.748,127.051 h1.5 r90
  text "GND" at 11.532,126.898 h1.2 r90
  text "PA5" at 86.157,126.771 h1.5
  text "PB13" at 89.662,126.727 h1.4
  text "MISO2" at 90.043,125.73 h1
  text "MISO1" at 86.436,125.705 h1.2
  text "PI 6" at 12.522,124.435 h1.5 r90
  text "PI 5" at 15.723,124.435 h1.5 r90
  text "PB14" at 89.586,124.288 h1.4
  text "PA6" at 86.182,124.206 h1.5
  text "MOSI2" at 90.068,123.342 h1
  text "MOSI1" at 86.411,123.165 h1.2
  text "PI 4" at 12.521,121.844 h1.5 r90
  text "PI 0" at 15.748,121.844 h1.5 r90
  text "PB15" at 89.713,121.717 h1.4
  text "PA7" at 86.208,121.666 h1.5
  text "CS2-1" at 89.941,120.675 h1.2
  text "CS1-1" at 86.436,120.625 h1.2
  text "PI  1" at 12.522,119.329 h1.5 r90
  text "PI 2" at 15.748,119.329 h1.5 r90
  text "PB12" at 89.738,119.202 h1.4
  text "PA4" at 86.182,119.151 h1.5
  text "SPI" at 85.776,118.999 h3 r90
  text "CS2-2" at 89.941,118.135 h1.2
  text "CS1-2" at 86.411,118.11 h1.2
  text "PH 14" at 12.522,116.789 h1.5 r90
  text "PH 13" at 15.672,116.789 h1.5 r90
  text "PG11" at 89.728,116.535 h1.4
  text "PC4" at 86.182,116.484 h1.5
  text "CS1-3" at 86.436,115.545 h1.2
  text "CS2-3" at 89.941,115.545 h1.2
  text "PG 12" at 12.548,114.173 h1.5 r90
  text "PH 15" at 15.697,114.173 h1.5 r90
  text "PC5" at 86.182,113.944 h1.5
  text "PG6" at 89.728,113.946 h1.5
  text "GND" at 86.665,112.37 h1.5
  text "GND" at 89.967,112.344 h1.5
  text "PC 7" at 12.522,111.582 h1.5 r90
  text "PH 12" at 15.672,111.582 h1.5 r90
  text "PH 11" at 12.522,108.991 h1.5 r90
  text "PC 6" at 15.672,108.991 h1.5 r90
  text "PH 9" at 12.522,106.426 h1.5 r90
  text "PH 10" at 15.748,106.426 h1.5 r90
  text "GND" at 11.557,104.013 h1.2 r90
  text "GND" at 14.732,104.013 h1.2 r90
  text "STM32F429/F767/H743核心板" at 44.12,100.406 h2
  text "TX2" at 87.351,98.603 h1.3
  text "TX3" at 90.17,98.603 h1.3
  text "PA2" at 86.36,97.155 h1.5
  text "PB10" at 89.728,97.155 h1.2
  text "RX2" at 87.147,96.19 h1.3
  text "RX3" at 90.17,96.139 h1.3
  text "PA3" at 86.462,94.869 h1.5
  text "PB11" at 89.764,94.793 h1.2
  text "GND" at 87.097,93.116 h1.3
  text "GND" at 90.068,93.116 h1.3
  text "PC 13" at 12.827,91.186 h1.5 r90
  text "SCL3" at 86.843,91.084 h1.2
  text "SDA3" at 90.018,91.084 h1.2
  text "PA8" at 86.309,89.484 h1.5
  text "PH8" at 89.728,89.484 h1.5
  text "K_ IRQ" at 12.319,89.154 h1.2 r90
  text "GND" at 14.529,88.849 h1.2 r90
  text "GND" at 87.097,87.96 h1.3
  text "GND" at 90.068,87.96 h1.3
  text "V3.3" at 14.554,86.385 h1.2 r90
  text "GND" at 11.582,86.36 h1.2 r90
  text "USART&IIC" at 85.776,86.233 h3 r90
  text "SCL" at 13.868,83.871 h1.2 r90
  text "GND" at 11.582,83.744 h1.2 r90
  text "PB8" at 15.748,83.566 h1.4 r90
  text "SDA" at 13.868,81.178 h1.2 r90
  text "GND" at 11.582,81.153 h1.2 r90
  text "PB7" at 15.748,81.026 h1.4 r90
  text "Keyboard" at 19.583,79.858 h3 r90
  text "P0" at 90.424,74.041 h1.4
  text "GND" at 86.716,73.406 h1.5
  text "PA1" at 89.728,72.771 h1.5
  text "P1" at 87.427,71.653 h1.4
  text "P2" at 90.424,71.628 h1.4
  text "PH2" at 89.738,70.282 h1.5
  text "PH3" at 86.451,70.231 h1.5
  text "P3" at 87.427,69.037 h1.4
  text "GND" at 89.916,68.555 h1.5
  text "PC1" at 86.385,67.589 h1.5
  text "UP" at 87.427,66.446 h1.4
  text "CS" at 90.424,66.421 h1.4
  text "PA4" at 89.652,65.176 h1.5
  text "PA15" at 86.309,65.151 h1.4
  text "SCK" at 86.741,63.906 h1.4
  text "SD卡" at 9.017,63.754 h3 r90
  text "GND" at 89.865,63.373 h1.5
  text "PA5" at 86.436,62.484 h1.5
  text "DDS" at 85.776,61.595 h3 r90
  text "IO1" at 87.046,61.29 h1.4
  text "IO0" at 90.297,61.29 h1.4
  text "PA7" at 86.411,60.069 h1.5
  text "PA6" at 89.764,60.046 h1.5
  text "IO2" at 90.297,58.877 h1.4
  text "IO3" at 87.046,58.852 h1.4
  text "PC5" at 86.385,57.429 h1.5
  text "PC4" at 89.789,57.429 h1.5
  text "SRET" at 86.563,56.388 h1.2
  text "GND" at 89.916,55.601 h1.5
  text "PI11" at 86.436,54.915 h1.5
  text "TX1" at 21.234,46.584 h1.5 r90
  text "RX1" at 22.758,46.584 h1.5 r90
  text "RESET" at 19.71,46.457 h1.5 r90
  text "SWDIO" at 13.487,46.203 h1.5 r90
  text "SWCLK" at 15.138,46.203 h1.5 r90
  text "USB2.0" at 0.356,44.298 h3
  text "RF" at 90.576,41.758 h1.4
  text "GND" at 86.614,40.919 h1.5
  text "PE6" at 89.789,40.411 h1.5
  text "CLK" at 90.018,39.37 h1.4
  text "GND" at 86.614,38.633 h1.5
  text "PE5" at 89.687,38.1 h1.5
  text "DATA" at 89.459,36.881 h1.4
  text "GND" at 86.614,36.347 h1.5
  text "PE4" at 89.687,35.357 h1.5
  text "PGA" at 85.776,34.163 h3 r90
  text "LE" at 90.424,34.163 h1.4
  text "GND" at 86.614,33.68 h1.5
  text "PE3" at 89.728,32.918 h1.5
  text "GND" at 86.614,31.674 h1.5
  text "CE" at 90.348,31.674 h1.4
  text "PE2" at 89.728,30.277 h1.5
  text "FLASH" at 82.347,25.222 h1.5
  text "RESET" at 36.144,24.282 h1.8
  text "stlinkv2.1" at 0.33,24.181 h3
  text "SYSTEM" at 81.89,23.876 h1.5
  text "BOOT MODE" at 78.689,22.809 h1.5 r90
  text "Vref+" at 97.917,22.606 h1
  text "SRAM" at 82.728,22.581 h1.5
  text "v3" at 13.564,19.05 h1.4
  text "sdio" at 15.723,19.05 h1.4
  text "sclk" at 18.491,19.05 h1.4
  text "gnd" at 21.234,18.898 h1.4
  text "COMMON  GND" at 47.298,17.575 h1.8
  text "U" at 52.4,15.342 h1.8
  text "L" at 51.003,13.665 h1.8
  text "E" at 52.4,13.665 h1.8
  text "R" at 53.746,13.614 h1.8
  text "D" at 52.4,12.014 h1.8
  text "+" at 22.606,8.636 h3
  text "power" at 10.744,2.007 h2 r90
  text "VIN_5V" at 37.795,0.864 h3

## Dimensions
103.124,0 to 103.124,145.415 on Drill Drawing
0,0 to 103.124,0 on Drill Drawing

## Text inside footprints (layer, text, board x,y; h text height)
J1: Bottom Overlay "k" at 12.751,60.215 h1.2 r270; Bottom Overlay "8" at 12.751,61.484 h1.2 r270; Bottom Overlay "7" at 12.751,62.602 h1.2 r270; Bottom Overlay "6" at 12.751,63.669 h1.2 r270; Bottom Overlay "5" at 12.751,64.735 h1.2 r270; Bottom Overlay "4" at 12.751,65.802 h1.2 r270; Bottom Overlay "3" at 12.751,66.996 h1.2 r270; Bottom Overlay "2" at 12.751,68.063 h1.2 r270; Bottom Overlay "1" at 12.751,69.155 h1.2 r270
JP1: Top Overlay "2" at 4.445,98.552 h1.2 r90; Top Overlay "1" at 6.985,98.806 h1.2 r90; Top Overlay "20" at 4.648,133.401 h1.2 r90; Top Overlay "19" at 7.188,133.401 h1.2 r90
JP2: Top Overlay "1" at 7.112,75.946 h1.2 r90; Top Overlay "2" at 4.572,75.692 h1.2 r90; Top Overlay "8" at 4.775,95.301 h1.2 r90; Top Overlay "7" at 7.315,95.301 h1.2 r90
JP3: Top Overlay "9" at 95.301,26.111 h1.2 r270; Top Overlay "10" at 97.841,26.111 h1.2 r270; Top Overlay "1" at 95.504,48.006 h1.2 r270; Top Overlay "2" at 98.044,48.26 h1.2 r270
JP4: Top Overlay "1" at 95.805,80.264 h1.2 r270; Top Overlay "2" at 98.345,80.518 h1.2 r270; Top Overlay "15" at 95.601,50.749 h1.2 r270; Top Overlay "16" at 98.141,50.749 h1.2 r270
JP5: Top Overlay "2" at 98.044,105.029 h1.2 r270; Top Overlay "1" at 95.504,104.775 h1.2 r270; Top Overlay "10" at 97.841,82.88 h1.2 r270; Top Overlay "9" at 95.301,82.88 h1.2 r270
JP6: Top Overlay "2" at 98.345,134.62 h1.2 r270; Top Overlay "1" at 95.805,134.366 h1.2 r270; Top Overlay "14" at 98.141,107.391 h1.2 r270; Top Overlay "13" at 95.601,107.391 h1.2 r270
SW3: Top Overlay "ON" at 64.038,23.106 h1.2 r90
TFTLCD: Top Overlay "D14" at 60.506,143.419 h1.2; Top Overlay "RS" at 38.006,143.419 h1.2; Top Overlay "CS" at 37.973,137.033 h1.2; Top Overlay "WR" at 40.513,137.033 h1.2; Top Overlay "RST" at 42.672,137.033 h1.2; Top Overlay "D1" at 45.72,137.033 h1.2; Top Overlay "D2" at 45.631,143.419 h1.2; Top Overlay "D3" at 48.133,137.033 h1.2; Top Overlay "D4" at 48.131,143.419 h1.2; Top Overlay "D5" at 50.673,137.033 h1.2; Top Overlay "D6" at 50.756,143.419 h1.2; Top Overlay "D8" at 52.881,143.419 h1.2; Top Overlay "D9" at 55.626,137.033 h1.2; Top Overlay "D12" at 58.006,143.419 h1.2; Top Overlay "D15" at 63.119,137.033 h1.2; Top Overlay "VDD" at 68.072,137.033 h1.2; Top Overlay "VDD" at 70.631,143.419 h1.2; Top Overlay "GND" at 68.006,143.419 h1.2; Top Overlay "VDD" at 65.506,143.419 h1.2; Top Overlay "D10" at 55.381,143.419 h1.2; Top Overlay "D0" at 43.131,143.419 h1.2; Top Overlay "RD" at 40.506,143.419 h1.2; Top Overlay "GND" at 63.006,143.419 h1.2; Top Overlay "GND" at 70.485,137.033 h1.2; Top Overlay "D11" at 58.039,137.033 h1.2; Top Overlay "PEN" at 75.692,137.033 h1.2; Top Overlay "CLK" at 78.131,143.419 h1.2; Top Overlay "MOSI" at 72.881,143.419 h1.2; Top Overlay "MO" at 76.131,143.419 h1.2; Top Overlay "TCS" at 78.232,137.033 h1.2; Top Overlay "MISO" at 72.771,137.033 h1.2; Top Overlay "BL" at 66.04,137.033 h1.2; Top Overlay "D14" at 60.508,143.413 h1.2; Top Overlay "RS" at 38.008,143.413 h1.2; Top Overlay "CS" at 37.975,137.027 h1.2; Top Overlay "WR" at 40.515,137.027 h1.2; Top Overlay "RST" at 42.674,137.027 h1.2; Top Overlay "D1" at 45.722,137.027 h1.2; Top Overlay "D2" at 45.633,143.413 h1.2; Top Overlay "D3" at 48.135,137.027 h1.2; Top Overlay "D4" at 48.133,143.413 h1.2; Top Overlay "D5" at 50.675,137.027 h1.2; Top Overlay "D6" at 50.758,143.413 h1.2; Top Overlay "D8" at 52.883,143.413 h1.2; Top Overlay "D9" at 55.628,137.027 h1.2; Top Overlay "D13" at 60.508,137.017 h1.2; Top Overlay "D12" at 58.008,143.413 h1.2; Top Overlay "D15" at 63.121,137.027 h1.2; Top Overlay "VDD" at 68.074,137.027 h1.2; Top Overlay "VDD" at 70.633,143.413 h1.2; Top Overlay "GND" at 68.008,143.413 h1.2; Top Overlay "VDD" at 65.508,143.413 h1.2; Top Overlay "D10" at 55.383,143.413 h1.2; Top Overlay "D0" at 43.133,143.413 h1.2; Top Overlay "RD" at 40.508,143.413 h1.2; Top Overlay "GND" at 63.008,143.413 h1.2; Top Overlay "GND" at 70.487,137.027 h1.2; Top Overlay "D11" at 58.041,137.027 h1.2; Top Overlay "PEN" at 75.694,137.027 h1.2; Top Overlay "CLK" at 78.133,143.413 h1.2; Top Overlay "MOSI" at 72.883,143.413 h1.2; Top Overlay "MO" at 76.133,143.413 h1.2; Top Overlay "TCS" at 78.234,137.027 h1.2; Top Overlay "MISO" at 72.773,137.027 h1.2; Top Overlay "BL" at 66.042,137.027 h1.2; Top Overlay "D7" at 52.834,137.027 h1.2